# Allegro board MB1248D.brd
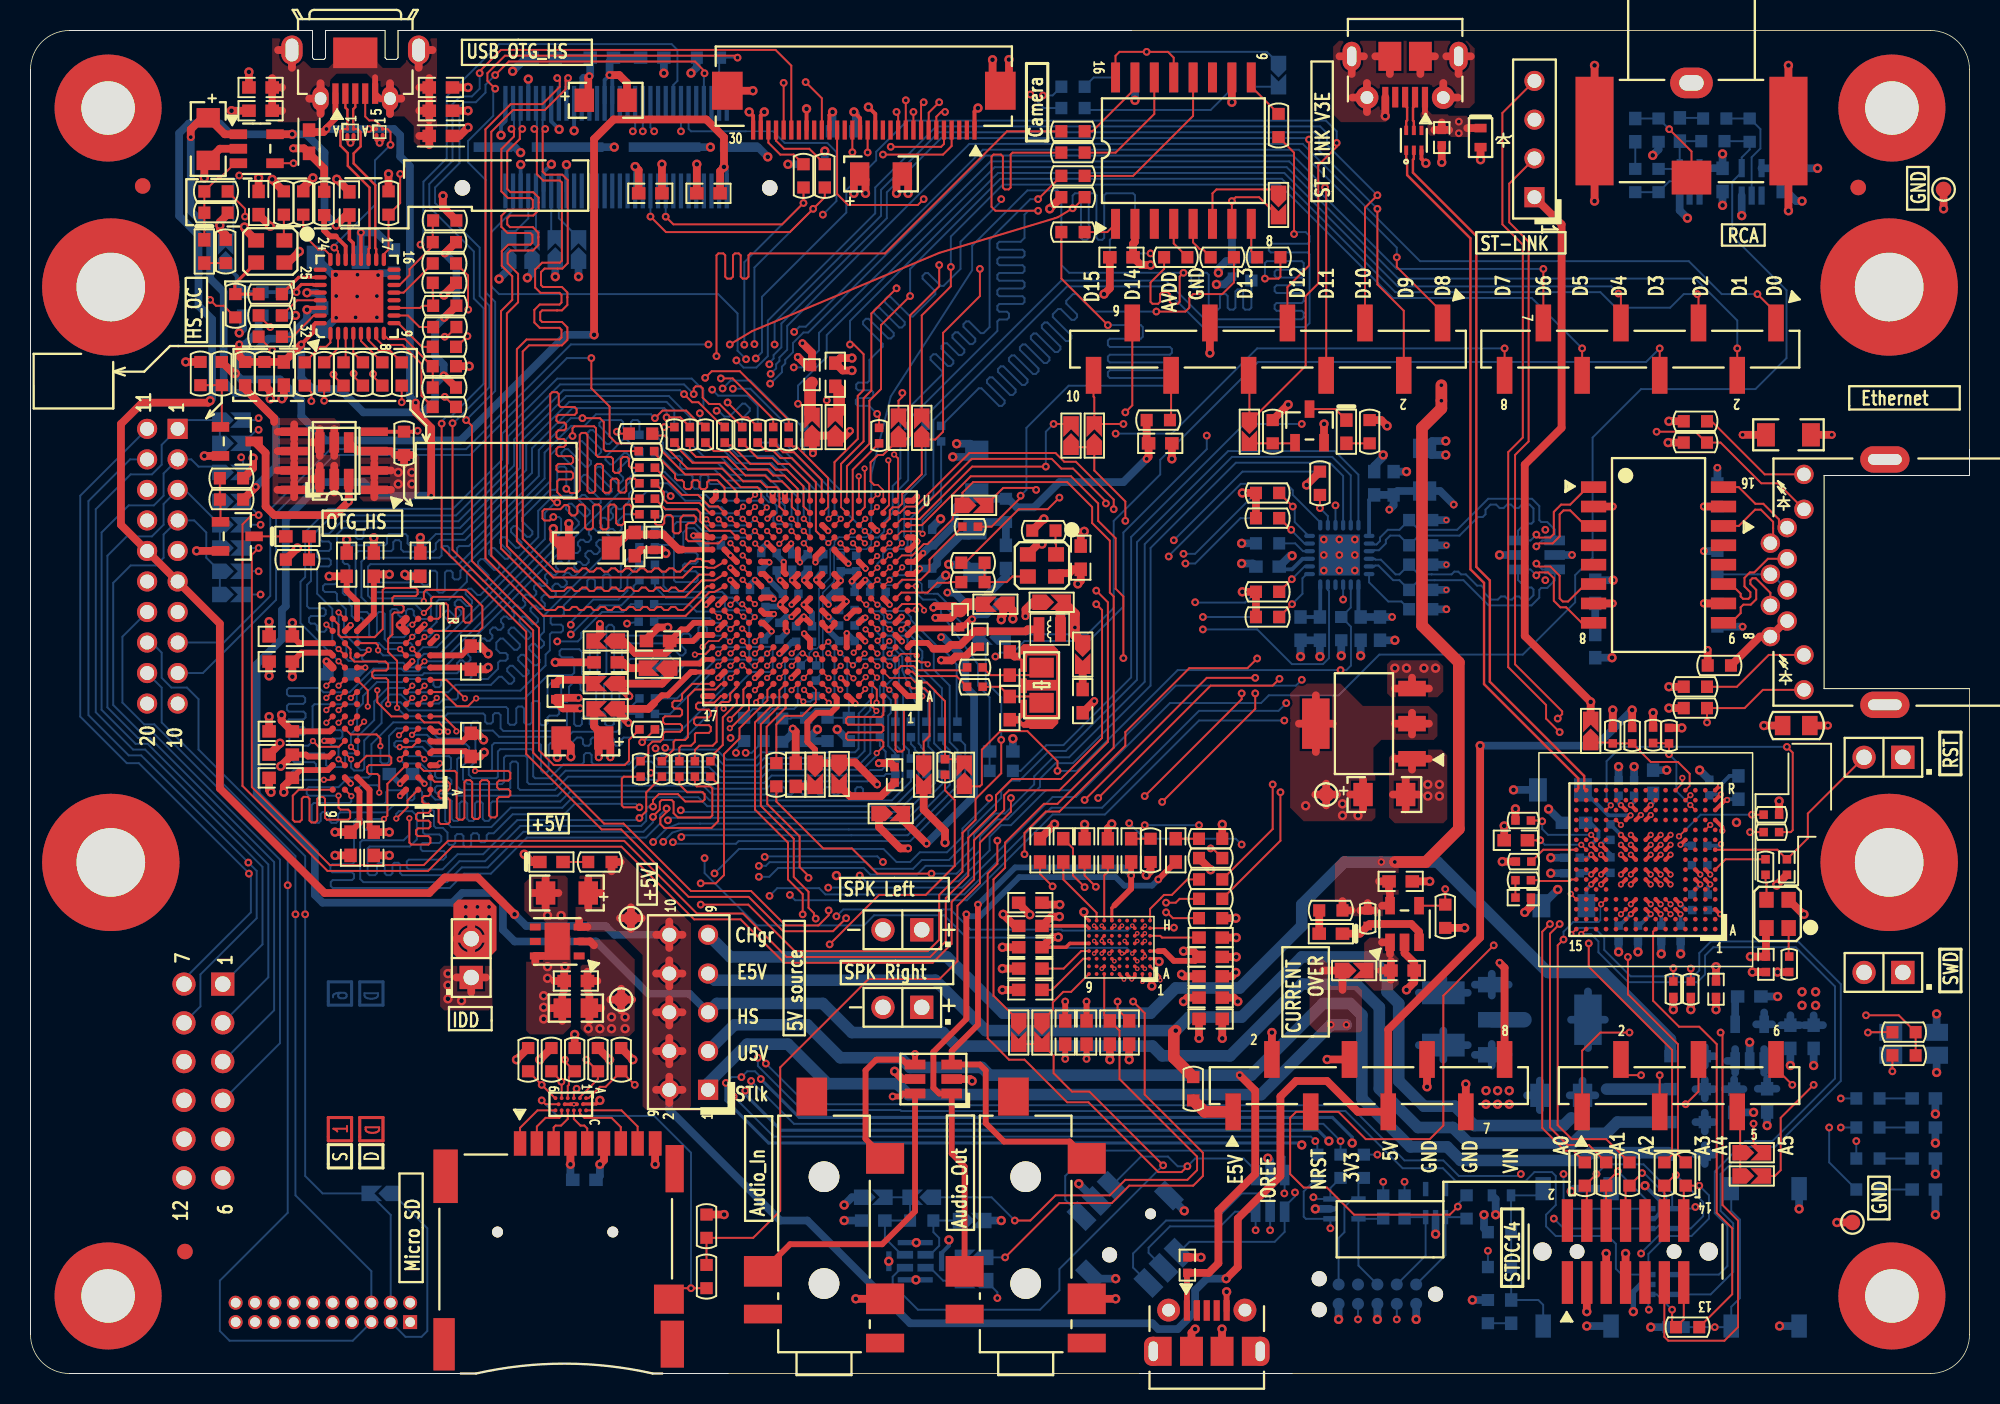
[diagram p0: board, top side]
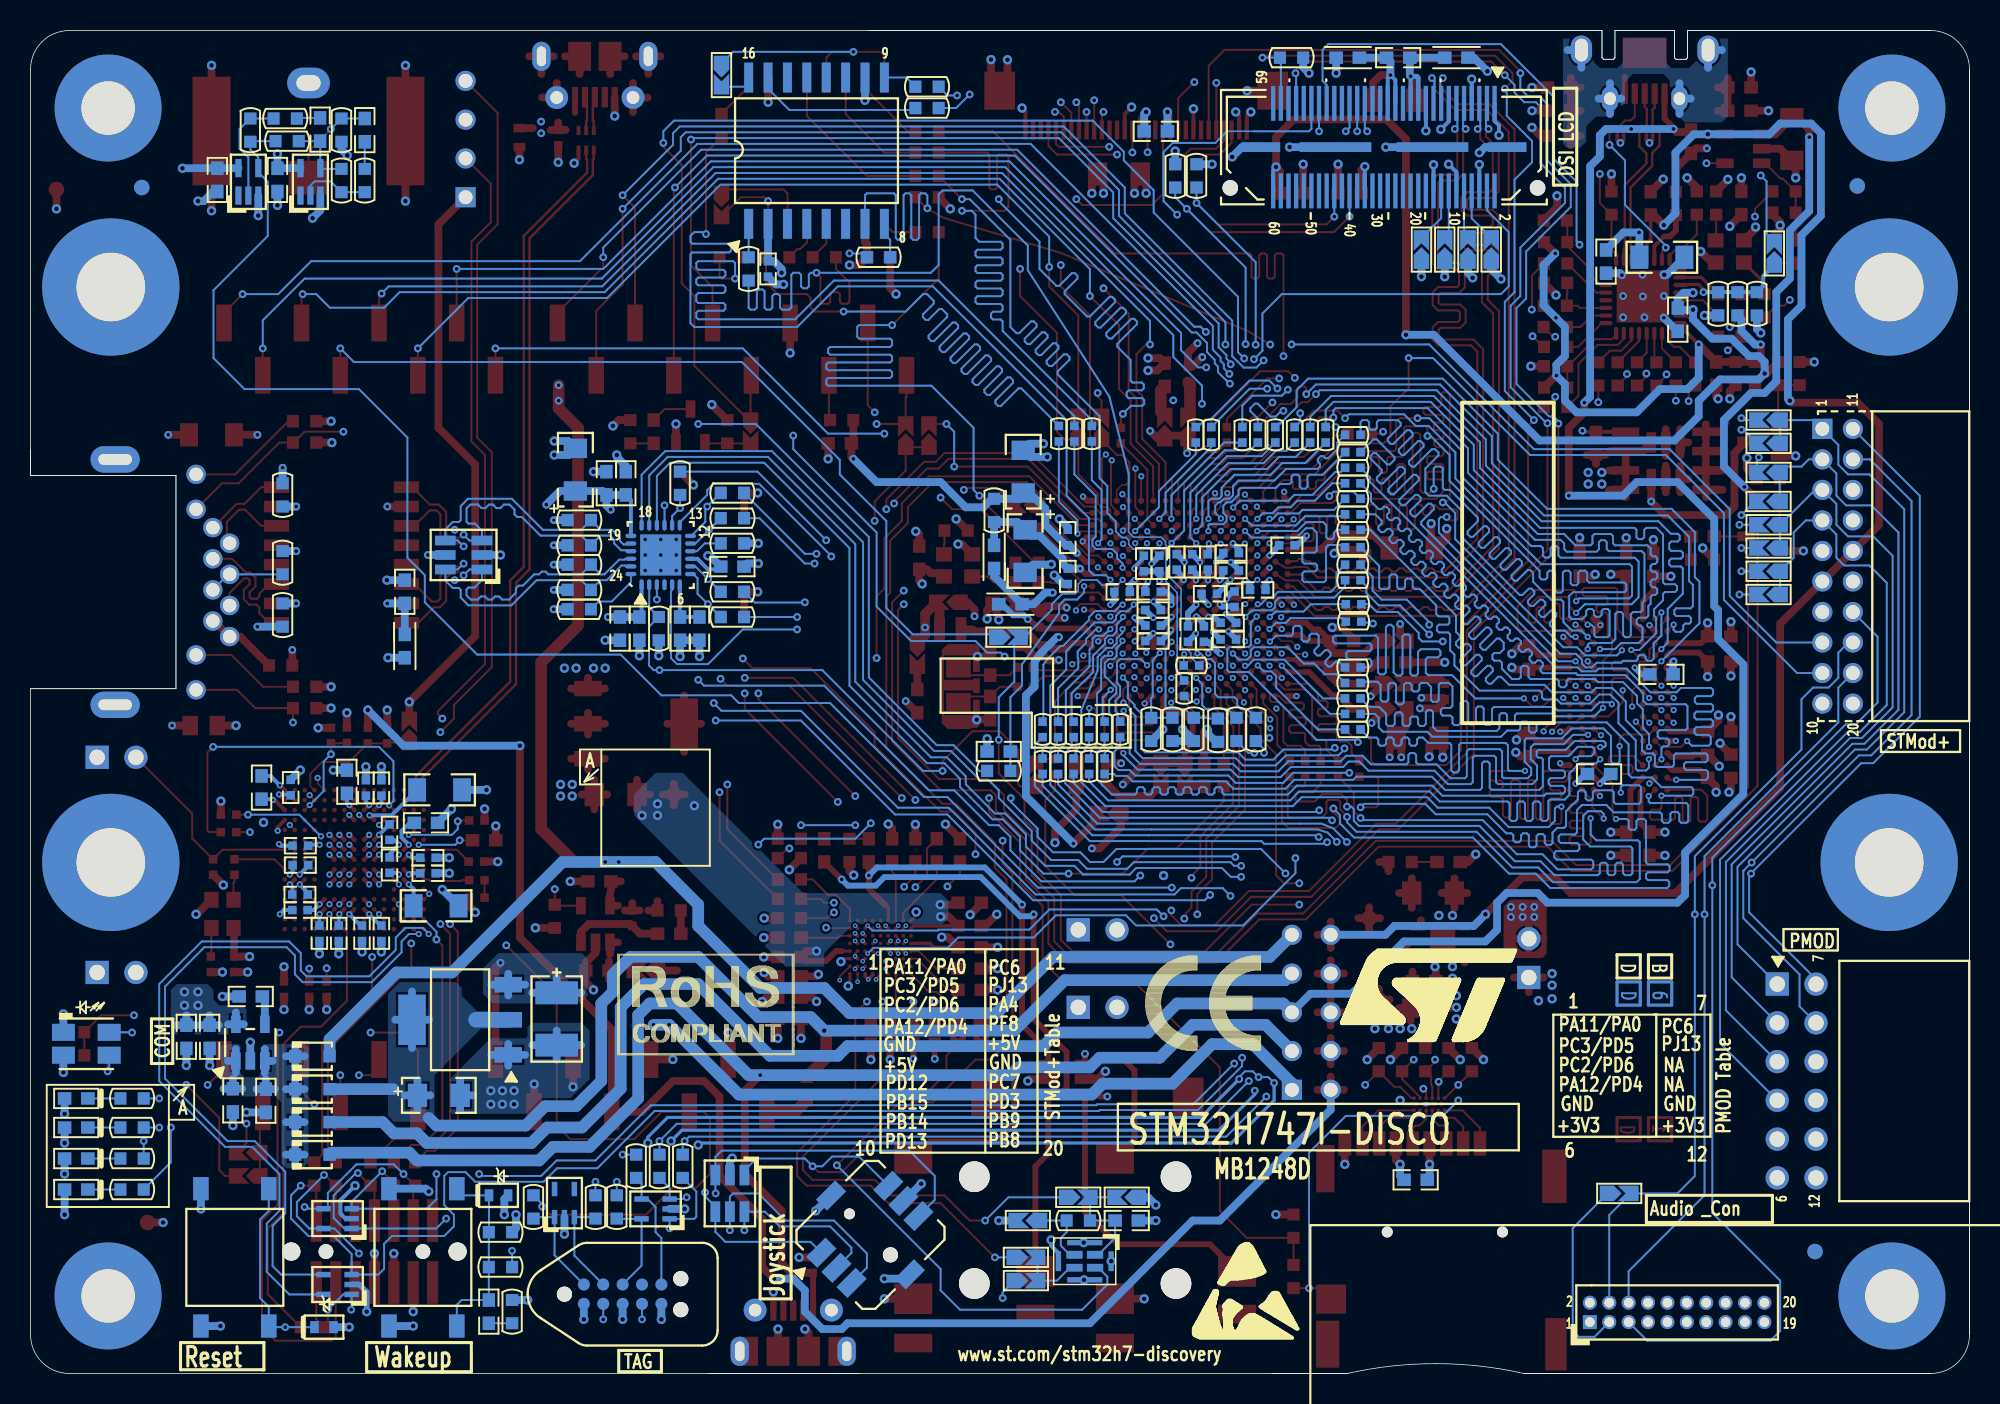
[diagram p1: board, bottom side, seen from below]

Outline 127 x 88 mm; copper layers: TOP, L2_GND, L3_VCC, L4_SIG, L5_GND, BOTTOM. Coordinates in mm from the lower left corner of the outline.
Outline path: 0,85.46 0,2.54 ; 0,85.46 arc(0.74,87.26) 2.54,88 ; 0,85.46 0,2.54 ; 0,2.54 arc(0.74,0.74) 2.54,0 ; 2.54,88 18.47,88 ; 2.54,88 18.47,88 ; 18.47,88 18.47,86.21 ; 18.47,88 18.47,86.21 ; 2.54,0 19.64,0 ; 2.54,0 19.64,0 ; 19.64,0 29.19,0 ; 19.64,0 29.19,0 ; 18.47,86.21 18.57,86.11 ; 18.47,86.21 18.57,86.11 ; 18.57,86.11 19.22,86.11 ; 18.57,86.11 19.22,86.11 ; 19.22,86.11 19.32,86.21 ; 19.22,86.11 19.32,86.21 ; 19.32,86.21 19.32,88 ; 19.32,86.21 19.32,88 ; 19.32,88 23.22,88 ; 19.32,88 23.22,88 ; 23.22,88 23.22,86.21 ; 23.22,88 23.22,86.21 ; 29.19,0 arc(34.97,0.64) 40.75,0 ; 23.22,86.21 23.32,86.11 ; 23.22,86.21 23.32,86.11 ; 23.32,86.11 23.97,86.11 ; 23.32,86.11 23.97,86.11 ; 23.97,86.11 24.07,86.21 ; 23.97,86.11 24.07,86.21 ; 24.07,86.21 24.07,88 ; 24.07,86.21 24.07,88 ; 24.07,88 72.09,88 ; 24.07,88 72.09,88 ; 72.09,88 124.46,88 arc(126.26,87.26) 127,85.46 127,58.84 ; 40.75,0 45.67,0 ; 40.75,0 45.67,0 ; 45.67,0 124.46,0 arc(126.26,0.74) 127,2.54 127,44.87 ; 117.47,58.84 117.47,44.87 ; 117.47,58.84 127,58.84 ; 117.47,58.84 117.47,44.87 ; 117.47,58.84 127,58.84 ; 117.47,44.87 127,44.87 ; 117.47,44.87 127,44.87 ; 127,58.84 127,60.57

## Design rules (mm)
net group 5V_USB_CHGR: nets NETLD9_1 NETLD9_2
net group A0: nets A0 NETR199_2
net group A1: nets A1 NETR198_2
net group A2: nets A2 NETR185_2
net group A3: nets A3 NETR186_2
net group A4: nets A4 NETR197_2
net group A5: nets A5 NETR184_2
net group A6: nets A6 NETR143_2
net group A7: nets A7 NETR145_2
net group A8: nets A8 NETR53_2
net group A9: nets A9 NETR147_2
net group A10: nets A10 NETR55_2
net group A11: nets A11 NETR54_2
net group A12: nets A12 NETR172_2
net group A14: nets A14 NETR168_2
net group A15: nets A15 NETR169_2
net group D0: nets D0 NETR67_2
net group D1: nets D1 NETR65_2
net group D2: nets D2 NETR182_2
net group D3: nets D3 NETR180_2
net group D4: nets D4 NETR52_2
net group D5: nets D5 NETR51_2
net group D6: nets D6 NETR148_2
net group D7: nets D7 NETR146_2
net group D8: nets D8 NETR151_2
net group D9: nets D9 NETR149_2
net group D10: nets D10 NETR49_2
net group D11: nets D11 NETR50_2
net group D12: nets D12 NETR150_2
net group D13: nets D13 NETR59_2
net group D14: nets D14 NETR62_2
net group D15: nets D15 NETR60_2
net group D16: nets D16 NETR152_1
net group D17: nets D17 NETR159_1
net group D18: nets D18 NETR165_1
net group D19: nets D19 NETR162_1
net group D20: nets D20 NETR154_1
net group D21: nets D21 NETR183_1
net group D22: nets D22 NETR88_1
net group D23: nets D23 NETR89_1
net group D24: nets D24 NETR90_2
net group D25: nets D25 NETR92_2
net group D26: nets D26 NETR91_2
net group D27: nets D27 NETR195_2
net group D28: nets D28 NETR187_2
net group D29: nets D29 NETR188_2
net group D30: nets D30 NETR200_2
net group D31: nets D31 NETR201_2
net group DATA: nets NETR70_2 NETR83_1
net group DIFFPAIR0: nets NETCN15_9 NETCN15_11
net group DIFFPAIR1: nets NETCN15_3 NETCN15_5
net group DIFFPAIR2: nets NETCN15_15 NETCN15_17
net group DIFFPAIR3: nets NETCN1_2 NETCN1_3
net group NCS2: nets NCS2 NETR176_1
net group NETB2_2: nets NETB2_2 PC13
net group NETC3_1: nets NETC3_1 NETC3_2
net group NETC31_1: nets NETC31_1 PC14
net group NETC34_1: nets NETC34_1 PC15
net group NETC47_1: nets NETC47_1 NETC47_2
net group NETC50_1: nets NETC50_1 NETC50_2
net group NETC51_1: nets NETC51_1 NETC51_2
net group NETC71_1: nets NETC71_1 NETC71_2
net group NETC72_1: nets NETC72_1 NETC72_2
net group NETC150_1: nets NETC150_1 NETR213_1
net group NETCN12_10: nets NETCN12_10 PI8
net group NETCN16_2: nets NETCN16_2 PA13
net group NETCN16_4: nets NETCN16_4 PA14
net group NETCN16_6: nets NETCN16_6 PB3
net group NETCN16_8: nets NETCN16_8 PA15
net group NETCN16_9: nets NETCN16_9 PB4
net group NETLD1_2: nets NETLD1_2 PI12
net group NETLD2_2: nets NETLD2_2 PI13
net group NETLD3_2: nets NETLD3_2 PI14
net group NETLD4_2: nets NETLD4_2 PI15
net group NETLD5_2: nets NETLD5_2 PJ1
net group NETR1_2: nets NETR1_2 PF7
net group NETR21_1: nets NETR21_1 ULPI_D7
net group NETR26_1: nets NETR26_1 PC0
net group NETR27_1: nets NETR27_1 ULPI_D6
net group NETR28_1: nets NETR28_1 PI11
net group NETR29_1: nets NETR29_1 ULPI_D5
net group NETR35_1: nets NETR35_1 PA5
net group NETR36_1: nets NETR36_1 PH4
net group NETR37_1: nets NETR37_1 ULPI_D0
net group NETR38_1: nets NETR38_1 ULPI_D1
net group NETR39_1: nets NETR39_1 ULPI_D2
net group NETR40_1: nets NETR40_1 ULPI_D3
net group NETR42_1: nets NETR42_1 ULPI_D4
net group NETR47_1: nets NETR47_1 PH7
net group NETR48_1: nets NETR48_1 PH6
net group NETR63_2: nets NETR63_2 PA1
net group NETR64_1: nets NETR64_1 PA2
net group NETR68_2: nets NETR68_2 PA7
net group NETR74_2: nets NETR74_2 PC4
net group NETR75_2: nets NETR75_2 PC5
net group NETR82_2: nets NETR82_2 PG3
net group NETR87_1: nets NETR87_1 PE2
net group NETR93_2: nets NETR93_2 PG11
net group NETR102_1: nets NETR102_1 NETR102_2
net group NETR142_1: nets NETR142_1 PH5
net group NETR144_2: nets NETR144_2 PF11
net group NETR179_2: nets NETR179_2 PG8
net group NETR189_2: nets NETR189_2 PG15
net group NETR193_2: nets NETR193_2 PG12
net group NETR194_2: nets NETR194_2 PG13
net group RD: nets RD_N RD_P
net group TD: nets TD_N TD_P
net group USB_DEV_HS: nets USB_DEV_HS_N USB_DEV_HS_P
net group USB_DEV_HS_CN: nets USB_DEV_HS_CN_N USB_DEV_HS_CN_P
net group +1V8: nets NETR31_1
net group +5V: nets +5V NETLD8_1 T_PWR_EXT
net group BK2_IO0: nets BK2_IO0 NETR3_2 NETR125_2 NETR141_1
net group BK2_IO1: nets BK2_IO1 NETR19_1 NETR134_1 NETR139_1
net group BK2_IO2: nets BK2_IO2 NETR6_2 NETR124_2 NETR181_1
net group BK2_IO3: nets BK2_IO3 NETR18_1 NETR135_1 NETR178_1
net group CAMERA_CLK: nets CAMERA_CLK NETR23_1 OSC_24M
net group DCMI_D: nets DCMI_D0 DCMI_D1 DCMI_D2 DCMI_D3 DCMI_D4 DCMI_D5 DCMI_D6 DCMI_D7
net group E5V: nets NETCN8_1
net group GND-SD: nets NETC26_2 NETC33_2 NETC39_2
net group LED_STLK: nets LED_STLK NETLD10_2 NETLD10_3
net group NETC7_1: nets NETC7_1 NETR12_1 NETR61_2
net group NETC17_2: nets NETCN7_4 NETCN7_7 NETR156_2 NETR174_2
net group NETC77_1: nets NETC77_1 NETC77_2 NETC78_1 NETC78_2 NETR126_2 NETR132_1 PD7
net group NETCN5_8: nets NETCN5_8 VDDA VREF+
net group NETCN16_10: nets NETCN16_10 NRST RESET#
net group NETP1_27: nets NETP1_27 NETR105_2 PD13
net group NETP1_28: nets NETP1_28 NETR103_2 PD12
net group NETR15_1: nets NETR15_1 NETR69_2 PF6
net group NETR56_1: nets NETR56_1 NETSB25_1 PB2
net group NETR72_2: nets NETR72_2 OSC_25M PH0
net group NETR136_1: nets NETR136_1 REFSEL0 REFSEL1 REFSEL2 T1_D USB_VDDIO
net group NETR140_2: nets NETR20_1 NETR140_2 PF9
net group NETR157_1: nets NETR2_2 NETR157_1 PD11
net group ULPI_D: nets NETR99_1 NETR104_1 NETR108_1

## Placement (name value [footprint] x y rotation side)
B1  TD-0341 [RESET_Black]  [PB10]  113.62 7.61 270 bottom
B2  USER  [PB10]  101.3 7.61 270 bottom
B3  -  [MT-008A]  72.02 9.12 225 bottom
C1  100nF  [0603C]  15.07 84.27 180 top
C2  100nF  [0603C]  26.88 84.27 0 top
C3  10uF  [TAN-A]  37.67 83.43 180 top
C4  100nF  [0603C]  15.07 82.74 180 top
C5  100nF  [0603C]  26.88 82.74 0 top
C6  [N_A]  [0402C]  92.44 80.98 90 top
C7  4.7uF  [TAN-A]  11.64 80.89 90 top
C8  10uF  [TAN-A]  55.71 78.6 180 top
C9  100nF  [0603C]  40.59 77.33 0 top
C10  100nF  [0603C]  44.4 77.33 180 top
C11  100nF  [0603C]  14.94 76.7 90 top
C12  100nF  [0603C]  20.88 76.67 90 top
C13  100nF  [0603C]  71.46 73.14 180 top
C14  100nF  [0603C]  16.59 65.52 270 top
C15  4.7uF[N_A]  [0402C]  56.6 39.23 270 top
C16  2.2uF  [0603C]  52.71 65.44 270 top
C17  TC1206KKX7RDBB102  [1206C]  115.14 61.51 180 top
C18  [N_A]  [0603C]  74 60.95 180 top
C19  100nF  [0402C]  40.85 54.47 270 top
C20  2.2uF  [0603C]  39.58 54.34 270 top
C21  [N_A]  [1206C]  36.53 54.09 0 top
C22  100nF  [0603C]  68.79 53.46 270 top
C23  100nF  [0603C]  20.71 53 90 top
C24  100nF  [0603C]  22.48 53 90 top
C25  100nF  [0603C]  25.53 53 90 top
C26  10uF(GRM155R60G106ME44)  [0402C]  60.89 49.42 270 top
C27  100nF  [0603C]  16.39 48.3 180 top
C28  1uF_X5R_0603  [0603C]  41.1 47.99 0 top
C29  100nF  [0603C]  28.83 46.9 90 top
C30  100nF  [0603C]  16.39 46.65 180 top
C31  1.5pF  [0603C]  64.14 46.52 90 top
C32  2.2uF  [0603C]  37.67 46.6 0 top
C33  4.7uF  [0402C]  34.37 44.69 90 top
C34  1.5pF  [0603C]  64.14 43.6 270 top
C35  100nF  [0603C]  16.39 42.08 180 top
C36  4.7uF  [TAN-A]  36.15 41.64 0 top
C37  100nF  [0603C]  28.83 41.19 270 top
C38  100nF  [0603C]  16.39 40.55 180 top
C39  4.7uF  [0402C]  51.19 65.44 270 top
C40  2.2uF[N_A]  [0603C]  50.12 39.23 270 top
C41  100nF  [0603C]  16.39 39.03 180 top
C42  10uF  [TAN-A]  88.68 37.94 180 top
C43  2.2uF  [0603C]  97.29 34.94 0 top
C44  100nF  [0603C]  20.96 34.71 270 top
C45  100nF  [0603C]  22.48 34.71 270 top
C46  1uF  [0603C]  66.12 34.28 90 top
C47  2.2uF  [0603C]  67.65 34.28 90 top
C48  2.2uF  [0603C]  69.04 34.28 90 top
C49  2.2uF  [0603C]  70.57 34.28 90 top
C50  100nF  [0603C]  72.09 34.28 90 top
C51  100nF  [0603C]  75.01 34.28 90 top
C52  100nF  [0402C]  115.04 33.19 90 top
C53  1uF  [0603C]  89.74 32.25 0 top
C54  4.7uF  [TAN-A]  35.13 31.48 0 top
C55  [N_A]  [0402C]  97.77 31.18 180 top
C56  100nF  [0603C]  65.49 30.85 180 top
C57  100nF  [0603C]  65.49 29.33 180 top
C58  1uF  [0603C]  77.3 28.56 0 top
C59  100nF  [0603C]  65.49 27.93 180 top
C60  4.7uF  [0603C]  77.3 27.29 0 top
C61  100nF  [0402C]  113.67 26.81 90 top
C62  4.7uF  [0603C]  65.49 26.53 180 top
C63  100nF  [0603C]  89.87 26.4 180 top
C64  1uF  [0603C]  77.3 26.02 0 top
C65  100nF  [0603C]  35.72 25.72 180 top
C66  100nF  [0402C]  110.4 25.18 90 top
C67  4.7uF  [0603C]  65.49 25.13 0 top
C68  100nF  [0603C]  77.3 24.63 0 top
C69  TPSR106K006R1000  [0805C]  35.72 23.94 0 top
C70  4.7uF  [0603C]  77.3 23.23 0 top
C71  1uF  [0603C]  67.77 22.34 270 top
C72  1uF  [0603C]  69.17 22.34 270 top
C73  4.7uF  [0603C]  70.69 22.34 90 top
C74  4.7uF  [0603C]  71.96 22.34 90 top
C75  100nF  [0402C]  75.77 7.1 270 top
C76  100nF  [0603C]  37.42 86.22 0 bottom
C77  22nF  [0603C]  108.03 81.51 90 bottom
C78  22nF  [0603C]  105.11 81.47 270 bottom
C79  100nF  [0603C]  53.29 81.4 180 bottom
C80  100nF  [0603C]  114.76 78.21 90 bottom
C81  100nF  [0603C]  110.83 78.21 90 bottom
C82  2.2uF  [1206C]  20.15 73.14 0 bottom
C83  100nF  [0603C]  23.8 72.86 270 bottom
C84  100nF  [0402C]  78.69 72.38 270 bottom
C85  100nF  [0603C]  19.11 69.05 270 bottom
C86  10uF  [TAN-A]  91.31 59.22 270 bottom
C87  1uF  [TAN-A]  61.98 59.09 270 bottom
C88  100nF  [0603C]  89.28 58.33 270 bottom
C89  100nF  [0603C]  88.01 58.33 270 bottom
C90  100nF  [0402C]  59.06 54.78 270 bottom
C91  100nF  [0402C]  44.71 54.27 0 bottom
C92  1uF  [TAN-A]  61.85 53.89 90 bottom
C93  100nF  [0402C]  48.37 53.76 0 bottom
C94  100nF  [0402C]  51.92 53.18 270 bottom
C95  100nF  [0402C]  50.91 53.18 270 bottom
C96  100nF  [0402C]  49.89 53.18 270 bottom
C97  100nF  [0402C]  54.08 53.07 270 bottom
C98  100nF  [0402C]  53.07 53.07 270 bottom
C99  100nF  [0603C]  81.03 52.87 0 bottom
C100  100nF  [0402C]  48.37 52.62 0 bottom
C101  100nF  [0402C]  59.06 52.24 90 bottom
C102  100nF  [0402C]  46.61 51.35 180 bottom
C103  100nF  [0603C]  102.49 51.22 270 bottom
C104  100nF  [0402C]  55.5 51.22 0 bottom
C105  100nF  [0402C]  53.47 51.22 180 bottom
C106  100nF  [0402C]  49.79 51.09 0 bottom
C107  100nF  [0402C]  48.14 50.74 270 bottom
C108  100nF  [0402C]  53.47 50.03 180 bottom
C109  100nF  [0402C]  48.54 49.19 0 bottom
C110  100nF  [0402C]  53.47 49.01 180 bottom
C111  100nF  [0603C]  88.39 48.81 90 bottom
C112  100nF  [0603C]  87.12 48.81 90 bottom
C113  1uF_X5R_0603  [0603C]  84.45 48.81 270 bottom
C114  470pF  [0603C]  83.18 48.81 90 bottom
C115  100nF  [0402C]  51.19 48.45 90 bottom
C116  100nF  [0402C]  50.14 48.45 90 bottom
C117  100nF  [0402C]  48.54 48.1 0 bottom
C118  100nF  [0402C]  53.47 47.99 180 bottom
C119  100nF  [0603C]  20.17 45.81 180 bottom
C120  100nF  [0603C]  63.58 40.76 180 bottom
C121  100nF  [0603C]  24.26 39.28 180 bottom
C122  100nF  [0603C]  106.28 38.77 270 bottom
C123  4.7uF  [0603C]  111.87 38.39 90 bottom
C124  100nF  [0402C]  109.96 38.39 270 bottom
C125  100nF  [0402C]  105.03 38.37 270 bottom
C126  100nF  [0402C]  104.02 38.37 270 bottom
C127  2.2uF  [1206C]  100.21 38.24 0 bottom
C128  1uF  [0603C]  101.1 36.08 0 bottom
C129  100nF  [0402C]  103.48 35.47 270 bottom
C130  100nF  [0402C]  109.33 34.58 180 bottom
C131  100nF  [0402C]  100.97 33.8 0 bottom
C132  100nF  [0402C]  109.33 33.31 180 bottom
C133  100nF  [0402C]  103.48 33.31 90 bottom
C134  100nF  [0402C]  100.97 32.78 0 bottom
C135  100nF  [0402C]  109.35 31.38 180 bottom
C136  2.2uF  [1206C]  100.44 30.65 0 bottom
C137  100nF  [0402C]  109.35 30.37 0 bottom
C138  100nF  [0402C]  108.08 28.84 90 bottom
C139  100nF  [0402C]  106.81 28.84 90 bottom
C140  100nF  [0402C]  105.29 28.84 90 bottom
C141  100nF  [0402C]  104.02 28.84 90 bottom
C142  10nF  [0603C]  112.58 24.7 180 bottom
C143  10uF(25V)  [TAN-B]  92.54 23.23 270 bottom
C144  100nF  [0603C]  116.79 22.06 90 bottom
C145  1uF  [0603C]  115.27 22.06 90 bottom
C146  10uF  [TAN-A]  100.26 18.23 0 bottom
C147  100nF  [0603C]  113.75 17.9 90 bottom
C148  1uF  [0603C]  111.59 17.87 270 bottom
C149  100nF  [0603C]  36.28 12.69 0 bottom
C150  100nF  [0603C]  55.2 10.02 180 bottom
C151  [N_A]  [0603C]  96.98 4.05 270 bottom
C152  10uF  [0603C]  68.92 44.06 90 top
C153  220pF  [0402C]  62.18 48.12 270 top
CN1  475900001  [MOLEX_47590001]  21.27 83.86 180 top
CN2  USB_uB_105017.0001  [MICRO_USB_B_105017]  90.04 83.71 180 top
CN3  RCJ-01X-SMT  [RCA_3SM_1TH_14X15]  108.79 84.56 180 top
CN4  Header 4x1  [HDR_1X4_2R54]  98.51 77.08 90 top
CN5  SSW-110-22-x-S-VS  [SSW-110-22-X-S-VS]  81.06 67.12 180 top
CN6  SSW-108-22-x-S-VS  [SSW-108-22-X-S-VS]  105.44 67.12 180 top
CN7  KRJ-CB4.2GYZNL  [RJ45_LED_KRJ-CB4R2GYZNL_EM]  114.51 51.86 90 top
CN8  SSW-108-22-x-S-VS  [SSW-108-22-X-S-VS]  87.66 18.86 0 top
CN9  SAMTEC SSW-106-22-x-S-VS  [SSW-106-22-X-S-VS]  107.98 18.86 0 top
CN10  PJ3028B-3-BE  [PJ3028B]  51.97 5.89 90 top
CN11  PJ3028B-3-GR  [PJ3028B]  65.18 5.89 90 top
CN12  PJS008-2000  [MSD_PJS008_]  30.59 9.27 0 top
CN13  FTSH-107-01-L-DV-K  [FTSH-107-01-L-DV_B]  104.48 7.99 0 top
CN14  USB_uB_105017.0001  [MICRO_USB_B_105017]  77.04 4.05 0 top
CN15  QSH-030-01-F-D-A-K-TR  [QSH-030-01-F-D-A]  38.35 80.36 0 bottom
CN16  -  [TC2050-IDC-NL]  88.22 5.2 180 bottom
CN17  Receptacle 10X2 TH VT 1.27mm  [MODULE_20TH_48X29]  24.86 3.37 180 bottom
D1  [N_A]  [BGA4_0R4_1X1]  20.95 81.35 0 top
D2  [N_A]  [BGA4_0R4_0R8X0R8]  22.86 81.35 0 top
D3  ESDA7P60-1U1M  [DO_2SM_1R6X1_21]  94.98 80.98 270 top
D4  ESDA6V1BC6  [SOT23-6L]  59.14 19.29 90 top
D5  BAT60JFILM  [SOD-323]  108.54 20.79 180 bottom
D6  BAT60JFILM  [SOD-323]  108.54 18.63 180 bottom
D7  BAT60JFILM  [SOD-323]  108.54 16.47 180 bottom
D8  BAT60JFILM  [SOD-323]  108.54 14.34 180 bottom
D9  ESDA6V1-5SC6  [SOT23-6L]  81.19 11.8 0 bottom
D10  ESDA7P60-1U1M  [DO_2SM_1R6X1_21]  96.35 11.67 180 bottom
D11  ESDALC6V1W5  [SC70-5]  92.03 11.16 180 bottom
D12  ESDALC6V1W5  [SC70-5]  86.06 10.78 90 bottom
D13  ESDA7P60-1U1M  [DO_2SM_1R6X1_21]  107.78 3.04 180 bottom
D14  ESDALC6V1W5  [SC70-5]  106.89 10.15 90 bottom
D15  ESDALC6V1W5  [SC70-5]  106.89 5.83 90 bottom
H1  POSITION HOLE C6D3R5  [HOLE_C7D3R5]  5.08 82.92 270 top
H2  POSITION HOLE C6D3R5  [HOLE_C7D3R5]  121.92 82.92 270 top
H3  POSITION HOLE C6D3R5  [HOLE_C9D4R5]  5.26 71.19 270 top
H4  POSITION HOLE C6D3R5  [HOLE_C9D4R5]  121.74 71.19 270 top
H5  POSITION HOLE C6D3R5  [HOLE_C9D4R5]  5.26 33.49 270 top
H6  POSITION HOLE C6D3R5  [HOLE_C9D4R5]  121.74 33.49 270 top
H7  POSITION HOLE C6D3R5  [HOLE_C7D3R5]  5.08 5.08 270 top
H8  POSITION HOLE C6D3R5  [HOLE_C7D3R5]  121.92 5.08 270 top
JP1  Jumper Header 2x1  [SIP2]  122.64 40.37 180 top
JP2  -  [SIP2]  58.37 29.07 180 top
JP3  -  [SIP2]  28.86 25.95 90 top
JP4  Jumper Header 2x1  [SIP2]  122.64 26.28 180 top
JP5  -  [SIP2]  58.37 23.99 180 top
JP6  Jumper_Header 5x2 Fitted 1-2  [HDR_2X5_2R54]  44.38 18.59 90 top
L1  BLM18PG121SN1D  [0603L]  26.88 81.09 180 top
L2  BLM18PG121SN1D  [0603L]  18.24 80.71 90 top
L3  2.2uH(LQM2MPN2R2NG0)  [LSM2_VLS2016E_S]  66.76 48.76 180 top
L4  BEAD(FCM1608KF-601T03)  [0603L]  40.72 86.22 180 bottom
L5  BEAD(FCM1608KF-601T03)  [0603L]  33.61 86.22 0 bottom
L6  BEAD(FCM1608KF-601T03)  [0603L]  63.89 53.51 90 bottom
L7  BEAD(FBMJ1608HM180NTR)  [0603L]  62.82 50.41 0 bottom
L8  BEAD(FCM1608KF-601T03)  [0603L]  102.49 47.66 270 bottom
LD1  Green  [0603D]  124.01 18.02 180 bottom
LD2  Orange  [0603D]  124.01 16.12 180 bottom
LD3  Red  [0603D]  124.01 14.09 180 bottom
LD4  Blue  [0603D]  124.01 12.05 180 bottom
LD5  Red  [0603D]  11.38 73.52 90 top
LD6  Green  [0603D]  86.19 61.71 90 top
LD7  Green  [0603D]  17.48 54.85 180 top
LD8  Green  [0603D]  34.12 33.52 180 top
LD9  LED_red  [0603D]  85.17 28.82 0 top
LD10  LD_BICOLOR_CMS  [LED2_3528]  123.35 21.6 270 bottom